# KiCad board pcb.kicad_pcb (continued)
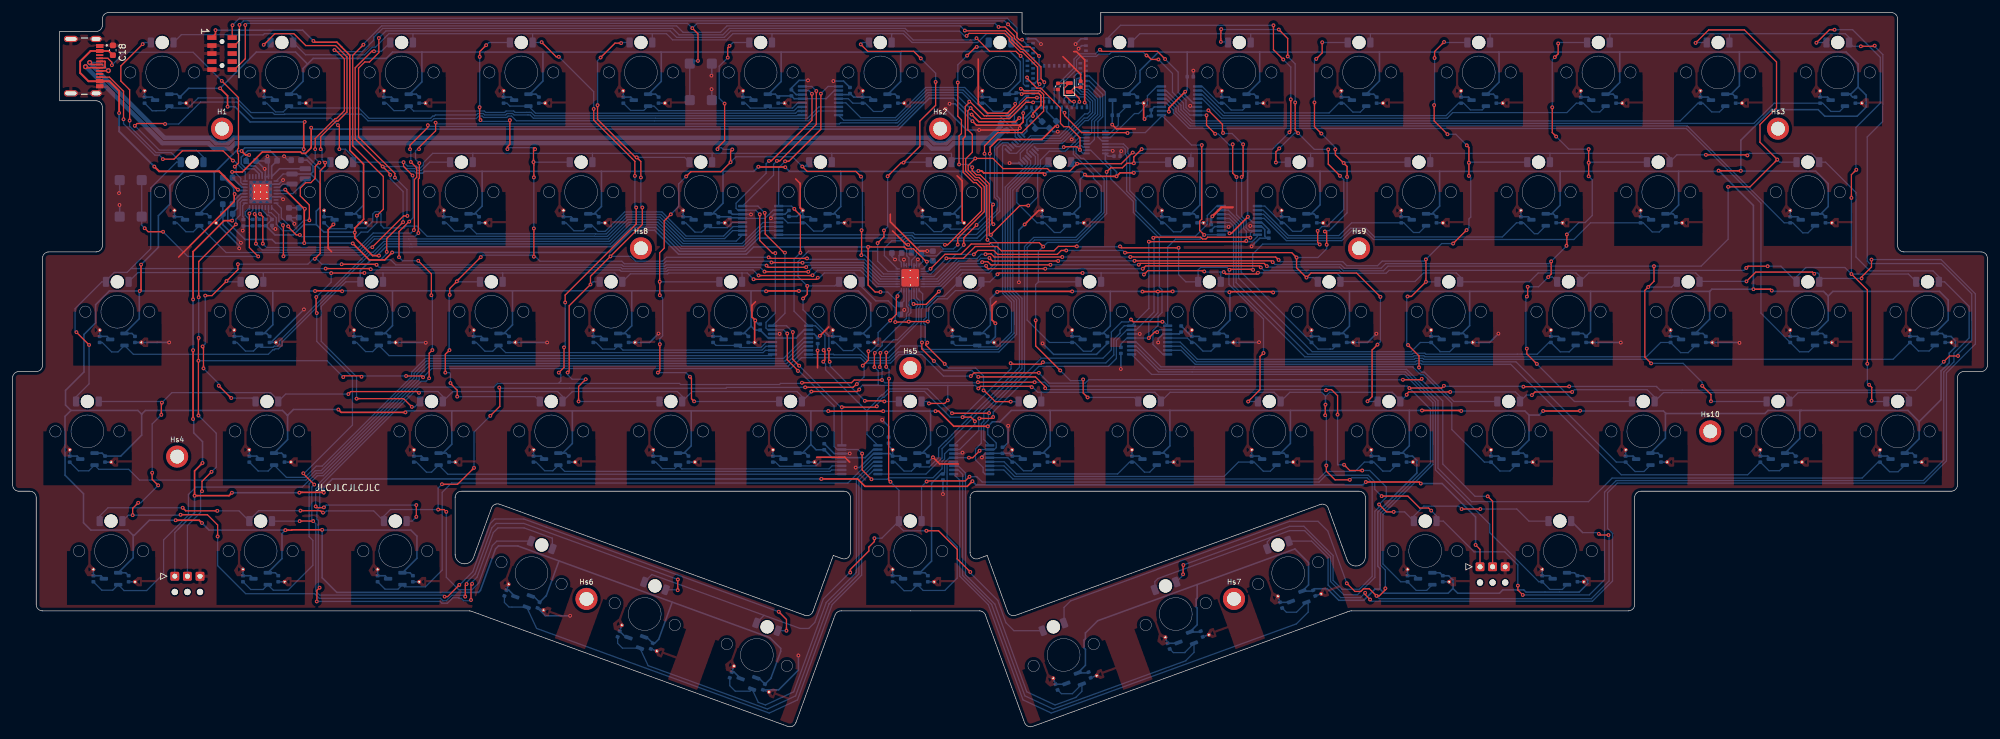
[diagram p0: board, top side]
## Placement (name value [footprint] x y rotation side) (continued)
S11  Switch  [Gateron_Lowpro_Switch]  213.75 103.85 0 top
S12  Switch  [Gateron_Lowpro_Switch]  232.75 103.85 0 top
S13  Switch  [Gateron_Lowpro_Switch]  251.75 103.85 0 top
S14  Switch  [Gateron_Lowpro_Switch]  270.75 103.85 0 top
S15  Switch  [Gateron_Lowpro_Switch]  289.75 103.85 0 top
S16  Switch  [Gateron_Lowpro_Switch]  28.5 84.85 0 top
S17  Switch  [Gateron_Lowpro_Switch]  52.25 84.85 0 top
S18  Switch  [Gateron_Lowpro_Switch]  71.25 84.85 0 top
S19  Switch  [Gateron_Lowpro_Switch]  90.25 84.85 0 top
S20  Switch  [Gateron_Lowpro_Switch]  109.25 84.85 0 top
S21  Switch  [Gateron_Lowpro_Switch]  128.25 84.85 0 top
S22  Switch  [Gateron_Lowpro_Switch]  147.25 84.85 0 top
S23  Switch  [Gateron_Lowpro_Switch]  166.25 84.85 0 top
S24  Switch  [Gateron_Lowpro_Switch]  185.25 84.85 0 top
S25  Switch  [Gateron_Lowpro_Switch]  204.25 84.85 0 top
S26  Switch  [Gateron_Lowpro_Switch]  223.25 84.85 0 top
S27  Switch  [Gateron_Lowpro_Switch]  242.25 84.85 0 top
S28  Switch  [Gateron_Lowpro_Switch]  261.25 84.85 0 top
S29  Switch  [Gateron_Lowpro_Switch]  285 84.85 0 top
S30  Switch  [Gateron_Lowpro_Switch]  16.62 65.85 0 top
S31  Switch  [Gateron_Lowpro_Switch]  38 65.85 0 top
S32  Switch  [Gateron_Lowpro_Switch]  57 65.85 0 top
S33  Switch  [Gateron_Lowpro_Switch]  76 65.85 0 top
S34  Switch  [Gateron_Lowpro_Switch]  95 65.85 0 top
S35  Switch  [Gateron_Lowpro_Switch]  114 65.85 0 top
S36  Switch  [Gateron_Lowpro_Switch]  133 65.85 0 top
S37  Switch  [Gateron_Lowpro_Switch]  152 65.85 0 top
S38  Switch  [Gateron_Lowpro_Switch]  171 65.85 0 top
S39  Switch  [Gateron_Lowpro_Switch]  190 65.85 0 top
S40  Switch  [Gateron_Lowpro_Switch]  209 65.85 0 top
S41  Switch  [Gateron_Lowpro_Switch]  228 65.85 0 top
S42  Switch  [Gateron_Lowpro_Switch]  247 65.85 0 top
S43  Switch  [Gateron_Lowpro_Switch]  266 65.85 0 top
S44  Switch  [Gateron_Lowpro_Switch]  285 65.85 0 top
S45  Switch  [Gateron_Lowpro_Switch]  11.88 46.85 0 top
S46  Switch  [Gateron_Lowpro_Switch]  40.38 46.85 0 top
S47  Switch  [Gateron_Lowpro_Switch]  66.5 46.85 0 top
S48  Switch  [Gateron_Lowpro_Switch]  85.5 46.85 0 top
S49  Switch  [Gateron_Lowpro_Switch]  104.5 46.85 0 top
S50  Switch  [Gateron_Lowpro_Switch]  123.5 46.85 0 top
S51  Switch  [Gateron_Lowpro_Switch]  142.5 46.85 0 top
S52  Switch  [Gateron_Lowpro_Switch]  161.5 46.85 0 top
S53  Switch  [Gateron_Lowpro_Switch]  180.5 46.85 0 top
S54  Switch  [Gateron_Lowpro_Switch]  199.5 46.85 0 top
S55  Switch  [Gateron_Lowpro_Switch]  218.5 46.85 0 top
S56  Switch  [Gateron_Lowpro_Switch]  237.5 46.85 0 top
S57  Switch  [Gateron_Lowpro_Switch]  258.88 46.85 0 top
S58  Switch  [Gateron_Lowpro_Switch]  280.25 46.85 0 top
S59  Switch  [Gateron_Lowpro_Switch]  15.62 27.85 0 top
S60  Switch  [Gateron_Lowpro_Switch]  39.38 27.85 0 top
S61  Switch  [Gateron_Lowpro_Switch]  60.75 27.85 0 top
S62  Switch  [Gateron_Lowpro_Switch]  82.38 24.35 340 top
S63  Switch  [Gateron_Lowpro_Switch]  100.35 17.85 340 top
S64  Switch  [Gateron_Lowpro_Switch]  118.15 11.35 340 top
S65  Switch  [Gateron_Lowpro_Switch]  142.5 27.85 0 top
S66  Switch  [Gateron_Lowpro_Switch]  166.85 11.35 20 top
S67  Switch  [Gateron_Lowpro_Switch]  184.65 17.85 20 top
S68  Switch  [Gateron_Lowpro_Switch]  202.5 24.35 20 top
S69  Switch  [Gateron_Lowpro_Switch]  224.25 27.85 0 top
S70  Switch  [Gateron_Lowpro_Switch]  245.62 27.85 0 top
S71  Switch  [Gateron_Lowpro_Switch]  299.25 46.85 0 top
S72  Switch  [Gateron_Lowpro_Switch]  304 65.85 0 top
Stb1  TMR_switch_stab_2.0u  [Stabilizer_Lowpro_2U]  118.15 11.35 70 top
Stb2  TMR_switch_stab_2.0u  [Stabilizer_Lowpro_2U]  166.85 11.35 290 top
SW1  SW_DIP_x01  [Aliexpress_SW_TACT_4x4x1.5mm]  109.25 102.35 90 bottom
SW2  SW_DIP_x01  [Aliexpress_SW_TACT_4x4x1.5mm]  18.75 83.85 270 bottom
TMR1  TMR2617  [SOT-23-3]  23.75 99.45 180 bottom
TMR2  TMR2617  [SOT-23-3]  42.75 99.45 180 bottom
TMR3  TMR2617  [SOT-23-3]  61.75 99.45 180 bottom
TMR4  TMR2617  [SOT-23-3]  80.75 99.45 180 bottom
TMR5  TMR2617  [SOT-23-3]  99.75 99.45 180 bottom
TMR6  TMR2617  [SOT-23-3]  118.75 99.45 180 bottom
TMR7  TMR2617  [SOT-23-3]  137.75 99.45 180 bottom
TMR8  TMR2617  [SOT-23-3]  156.75 99.45 180 bottom
TMR9  TMR2617  [SOT-23-3]  175.75 99.45 180 bottom
TMR10  TMR2617  [SOT-23-3]  194.75 99.45 180 bottom
TMR11  TMR2617  [SOT-23-3]  213.75 99.45 180 bottom
TMR12  TMR2617  [SOT-23-3]  232.75 99.45 180 bottom
TMR13  TMR2617  [SOT-23-3]  251.75 99.45 180 bottom
TMR14  TMR2617  [SOT-23-3]  270.75 99.45 180 bottom
TMR15  TMR2617  [SOT-23-3]  289.75 99.45 180 bottom
TMR16  TMR2617  [SOT-23-3]  28.5 80.45 180 bottom
TMR17  TMR2617  [SOT-23-3]  52.25 80.45 180 bottom
TMR18  TMR2617  [SOT-23-3]  71.25 80.45 180 bottom
TMR19  TMR2617  [SOT-23-3]  90.25 80.45 180 bottom
TMR20  TMR2617  [SOT-23-3]  109.25 80.45 180 bottom
TMR21  TMR2617  [SOT-23-3]  128.25 80.45 180 bottom
TMR22  TMR2617  [SOT-23-3]  147.25 80.45 180 bottom
TMR23  TMR2617  [SOT-23-3]  166.25 80.45 180 bottom
TMR24  TMR2617  [SOT-23-3]  185.25 80.45 180 bottom
TMR25  TMR2617  [SOT-23-3]  204.25 80.45 180 bottom
TMR26  TMR2617  [SOT-23-3]  223.25 80.45 180 bottom
TMR27  TMR2617  [SOT-23-3]  242.25 80.45 180 bottom
TMR28  TMR2617  [SOT-23-3]  261.25 80.45 180 bottom
TMR29  TMR2617  [SOT-23-3]  285 80.45 180 bottom
TMR30  TMR2617  [SOT-23-3]  16.62 61.45 180 bottom
TMR31  TMR2617  [SOT-23-3]  38 61.45 180 bottom
TMR32  TMR2617  [SOT-23-3]  57 61.45 180 bottom
TMR33  TMR2617  [SOT-23-3]  76 61.45 180 bottom
TMR34  TMR2617  [SOT-23-3]  95 61.45 180 bottom
TMR35  TMR2617  [SOT-23-3]  114 61.45 180 bottom
TMR36  TMR2617  [SOT-23-3]  133 61.45 180 bottom
TMR37  TMR2617  [SOT-23-3]  152 61.45 180 bottom
TMR38  TMR2617  [SOT-23-3]  171 61.45 180 bottom
TMR39  TMR2617  [SOT-23-3]  190 61.45 180 bottom
TMR40  TMR2617  [SOT-23-3]  209 61.45 180 bottom
TMR41  TMR2617  [SOT-23-3]  228 61.45 180 bottom
TMR42  TMR2617  [SOT-23-3]  247 61.45 180 bottom
TMR43  TMR2617  [SOT-23-3]  266 61.45 180 bottom
TMR44  TMR2617  [SOT-23-3]  285 61.45 180 bottom
TMR45  TMR2617  [SOT-23-3]  11.88 42.45 180 bottom
TMR46  TMR2617  [SOT-23-3]  40.38 42.45 180 bottom
TMR47  TMR2617  [SOT-23-3]  66.5 42.45 180 bottom
TMR48  TMR2617  [SOT-23-3]  85.5 42.45 180 bottom
TMR49  TMR2617  [SOT-23-3]  104.5 42.45 180 bottom
TMR50  TMR2617  [SOT-23-3]  123.5 42.45 180 bottom
TMR51  TMR2617  [SOT-23-3]  142.5 42.45 180 bottom
TMR52  TMR2617  [SOT-23-3]  161.5 42.45 180 bottom
TMR53  TMR2617  [SOT-23-3]  180.5 42.45 180 bottom
TMR54  TMR2617  [SOT-23-3]  199.5 42.45 180 bottom
TMR55  TMR2617  [SOT-23-3]  218.5 42.45 180 bottom
TMR56  TMR2617  [SOT-23-3]  237.5 42.45 180 bottom
TMR57  TMR2617  [SOT-23-3]  258.88 42.45 180 bottom
TMR58  TMR2617  [SOT-23-3]  280.25 42.45 180 bottom
TMR59  TMR2617  [SOT-23-3]  15.62 23.45 180 bottom
TMR60  TMR2617  [SOT-23-3]  39.38 23.45 180 bottom
TMR61  TMR2617  [SOT-23-3]  60.75 23.45 180 bottom
TMR62  TMR2617  [SOT-23-3]  80.87 20.21 160 bottom
TMR63  TMR2617  [SOT-23-3]  98.85 13.71 160 bottom
TMR64  TMR2617  [SOT-23-3]  116.65 7.21 160 bottom
TMR65  TMR2617  [SOT-23-3]  142.5 23.45 180 bottom
TMR66  TMR2617  [SOT-23-3]  168.35 7.21 200 bottom
TMR67  TMR2617  [SOT-23-3]  186.15 13.71 200 bottom
TMR68  TMR2617  [SOT-23-3]  204 20.21 200 bottom
TMR69  TMR2617  [SOT-23-3]  224.25 23.45 180 bottom
TMR70  TMR2617  [SOT-23-3]  245.62 23.45 180 bottom
TMR71  TMR2617  [SOT-23-3]  299.25 42.45 180 bottom
TMR72  TMR2617  [SOT-23-3]  304 61.45 180 bottom
Y1  32.768 kHz  [Crystal_SMD_2012-2Pin_2.0x1.2mm]  167.75 101.45 90 top

## Library data of the parts
BAT1 BAT2 = -: Description: PS5 battery pack (red->power, black->ground, white->ntc); ki_fp_filters: TSSOP*4.4x9.7mm*P0.65mm*
C1-C4 C10-C12 C25 C26 = -: Description: Capacitor, X5R, 25 V, ±20%; ki_fp_filters: C_*
C5-C9 C14-C17 C20-C24 C28-C31 = -: Description: Capacitor, X5R, ±10%, at least 2xVdd (>=5V); ki_fp_filters: C_*
C13 C33 = -: Description: Capacitor, X5R, ±10%; ki_fp_filters: C_*
C18 C19 C34-C36 = -: Description: Capacitor, X5R, 10 V, ±10%; ki_fp_filters: C_*
C27 C32 = -: Description: Capacitor, X7R, 16 V, ±10%; ki_fp_filters: C_*
Cvcc1-Cvcc72 Cvout1-Cvout72 = -: Description: Unpolarized capacitor, small symbol; ki_fp_filters: C_*
D1-D72 = -: Datasheet: https://www.we-online.com/components/products/datasheet/156120VS75300.pdf; Description: Light emitting diode, small symbol, filled shape; Sim.Pins: 1=K 2=A; ki_fp_filters: LED* LED_SMD:* LED_THT:*
H1 Hs2-Hs10 = -: Description: Mounting Hole without connection; ki_fp_filters: MountingHole*
JTAG1 = -: Datasheet: http://infocenter.arm.com/help/topic/com.arm.doc.ddi0314h/DDI0314H_coresight_components_trm.pdf; Description: Cortex Debug Connector, standard ARM Cortex-M SWD and JTAG interface; ki_fp_filters: PinHeader?2x05?P1.27mm*
Jusb1 = -: Description: Connector; USB 3.1 Type C; Receptacle; 24-pin; USB 2.0 Only;; MANUFACTURER: XKB Connectivity; ALTIUM_VALUE: U262-161N-4BVC11; MPN: U262-161N-4BVC11; COMPONENT SUBTYPE: USB-C; COMPONENT TYPE: Connector; MOUNTING TYPE: SMD; PACKAGE (CASE): SMD; LCSC: C319148; ki_fp_filters: CON_XKB_U262-161N-4BVC11
L1 = -: Description: Inductor, DCR < 400 mΩ, ±20%; Ex: Murata DFE201210U-2R2M Samsung CIGT201610EH2R2MNE  Samsung CIGT252008LM2R2MNE  Taiyo Yuden MDKK1616T2R2MM; ki_fp_filters: Choke_* *Coil* Inductor_* L_*
L2 = -: Description: Inductor, DCR < 400 mΩ, ±20%; ki_fp_filters: Choke_* *Coil* Inductor_* L_*
LEDDR1 = -: Datasheet: http://www.ti.com/lit/ds/symlink/lp5864.pdf; Description: 72-Channel 12-Bit PWM Ultra-low Quiescent Current I2C RGB LED Driver; ki_fp_filters: VQFN?46?1EP?5x6mm?P0.4mm?EP2.8x3.8mm*
MDBT1 = -: Description: Raytac Corporation / MDBT50 / Bluetooth Low Energy Module based on Noridc nRF52840 / Source: / • Raytac datasheet
MUXA1 MUXA2 = -: Datasheet: https://www.ti.com/lit/ds/symlink/tmux1574.pdf; Description: Low Capacitance, 4-Channel, 2 to 1 Switch, Powered-off Protection with 1.8V logic, TSOT-23-16; ki_fp_filters: *TSOT*23?16*
MUXB1-MUXB8 = -: Datasheet: https://www.ti.com/lit/ds/symlink/tmux1108.pdf; Description: 5V / ±2.5V, Low-Leakage-Current, 8:1 Precision Multiplexer, 2.5 Ohm Ron, 90Mhz, TSSOP-16; ki_fp_filters: TSSOP*4.4x5mm*P0.65mm*
PMIC1 = -: Datasheet: https://docs.nordicsemi.com/bundle/ps_npm1300; Description: PMIC, LED Driver, Battery Charger, QFN-32; ki_fp_filters: QFN*32*1EP*5x5mm*P0.5mm*EP3.6x3.6mm*
R1-R4 = -: Description: Resistor, small symbol; ki_fp_filters: R_*
R5 R6 = -: Description: Resistor, 0.05 W, ±1%, to select 1.8v at buck converter #1 on reset; ki_fp_filters: R_*
S1-S72 = -: Description: Gateron Low profile magentic switch; Descr2: Center hole dia: Gateron 5.2mm, Kailh 5mm
Stb1 Stb2 = -: Descr2: Center hole dia: Gateron 5.2mm, Kailh 5mm
SW1 SW2 = -: Description: 1x DIP Switch, Single Pole Single Throw (SPST) switch, small symbol; ki_fp_filters: SW?DIP?x1*
TMR1-TMR72 = -: Description: TMR sensor by MDT, z-axis sensitivity, SOT23-3; ki_fp_filters: SOT?23*
Y1 = -: Description: Two pin crystal, small symbol; ki_fp_filters: Crystal*

## Footprints (pads in the part's own frame, mm; a bottom-side part is the same pattern mirrored in y, then rotated)
Aliexpress_SW_TACT_4x4x1.5mm
  rrect 1.6x1.6 smd: 1(-2.9,1.75) 1(2.9,1.75) 2(-2.9,-1.75) 2(2.9,-1.75)
C_0402_1005Metric
  rrect 0.56x0.62 smd: 1(-0.48,0) 2(0.48,0)
C_0402_1005Metric_Cvcc
  rrect 0.56x0.62 smd: 1(-0.48,0) 2(0.48,0)
  round 0.6 hole 0.3: 2(0.48,-1)
  rect 0.25x0.45 smd: 2(0.48,-0.53)
C_0402_1005Metric_Cvcc#2
  rrect 0.56x0.62 smd: 1(-0.48,0) 2(0.48,0)
C_0402_1005Metric_Cvout
  rrect 0.56x0.62 smd: 1(-0.48,0) 2(0.48,0)
  rect 0.45x0.25 smd: 2(0.98,0)
  round 0.6 hole 0.3: 2(1.48,0)
C_0402_1005Metric_Cvout#2
  rrect 0.56x0.62 smd: 1(-0.48,0) 2(0.48,0)
C_0603_1608Metric
  rrect 0.9x0.95 smd: 1(-0.775,0) 2(0.775,0)
Crystal_SMD_2012-2Pin_2.0x1.2mm
  rrect 0.6x1.1 smd: 1(-0.7,0) 2(0.7,0)
GCT_USB4215-03-A_REVA
  rect 0.6x1.15 smd: A1(-3.2,4.575) A4(-2.4,4.575) A9(2.4,4.575) A12(3.2,4.575) B1(3.2,4.575) B4(2.4,4.575) B9(-2.4,4.575) B12(-3.2,4.575)
  rect 0.3x1.15 smd: A5(-1.25,4.575) A6(-0.25,4.575) A7(0.25,4.575) A8(1.25,4.575) B5(1.75,4.575) B6(0.75,4.575) B7(-0.75,4.575) B8(-1.75,4.575)
  oval 1x1.8 hole 0.6x1.4: S1(-4.32,4) S1(4.32,4)
  oval 1x2.2 hole 0.6x1.8: S1(-4.32,0) S1(4.32,0)
L_Samsung_CIGT201610EH2R2MNE
  rrect 0.8x1.8 smd: 1(-0.8,0) 2(0.8,0)
LED_1206_3216Metric_ReverseMount_Hole2.1mm
  round 2.1 hole 2.1 unplated: (0,0)
  rrect 1x1.6 smd: 1(-1.8,0) 2(1.8,0)
LP5864-VQFN-32-1EP_4x4mm_P0.4mm_EP2.8x2.8mm_ThermalVias
  rrect 1.17x1.17 smd: (-0.7,-0.7) (-0.7,0.7) (0.7,-0.7) (0.7,0.7)
  rrect 0.7x0.2 smd: 1(-1.988,1.4) 2(-1.988,1) 3(-1.988,0.6) 4(-1.988,0.2) 5(-1.988,-0.2) 6(-1.988,-0.6) 7(-1.988,-1) 8(-1.988,-1.4) 17(1.988,-1.4) 18(1.988,-1) 19(1.988,-0.6) 20(1.988,-0.2) 21(1.988,0.2) 22(1.988,0.6) 23(1.988,1) 24(1.988,1.4)
  rrect 0.2x0.7 smd: 9(-1.4,-1.988) 10(-1,-1.988) 11(-0.6,-1.988) 12(-0.2,-1.988) 13(0.2,-1.988) 14(0.6,-1.988) 15(1,-1.988) 16(1.4,-1.988) 25(1.4,1.988) 26(1,1.988) 27(0.6,1.988) 28(0.2,1.988) 29(-0.2,1.988) 30(-0.6,1.988) 31(-1,1.988) 32(-1.4,1.988)
  round 0.5 hole 0.2: 33(-1.15,0) 33(0,-1.15) 33(0,0) 33(0,1.15) 33(1.15,0)
  rrect 2.8x2.8 smd far side: 33(0,0)
  rrect 2.8x2.8 smd: 33(0,0)
MountingHole_2.2mm_M2_ISO7380_Pad_TopBottom
  round 2.6 hole 2.2: 1(0,0)
  round 3.5 smd: 1(0,0)
  round 3.5 smd far side: 1(0,0)
PCB_Wire_Solder_3p_Connector
  round 1 hole 1 unplated: (-2,-2.5) (0,-2.5) (2,-2.5)
  rrect 1.4x1.4 hole 0.8: 1(-2,0) 2(0,0) 3(2,0)
QFN-32-1EP_5x5mm_P0.5mm_EP3.6x3.6mm_ThermalVias
  rrect 0.97x0.97 smd: (-1.2,-1.2) (-1.2,0) (-1.2,1.2) (0,-1.2) (0,0) (0,1.2) (1.2,-1.2) (1.2,0) (1.2,1.2)
  rrect 0.8x0.25 smd: 1(-2.45,1.75) 2(-2.45,1.25) 3(-2.45,0.75) 4(-2.45,0.25) 5(-2.45,-0.25) 6(-2.45,-0.75) 7(-2.45,-1.25) 8(-2.45,-1.75) 17(2.45,-1.75) 18(2.45,-1.25) 19(2.45,-0.75) 20(2.45,-0.25) 21(2.45,0.25) 22(2.45,0.75) 23(2.45,1.25) 24(2.45,1.75)
  rrect 0.25x0.8 smd: 9(-1.75,-2.45) 10(-1.25,-2.45) 11(-0.75,-2.45) 12(-0.25,-2.45) 13(0.25,-2.45) 14(0.75,-2.45) 15(1.25,-2.45) 16(1.75,-2.45) 25(1.75,2.45) 26(1.25,2.45) 27(0.75,2.45) 28(0.25,2.45) 29(-0.25,2.45) 30(-0.75,2.45) 31(-1.25,2.45) 32(-1.75,2.45)
  round 0.5 hole 0.2: 33(-1,-1) 33(-1,0) 33(-1,1) 33(0,-1) 33(0,0) 33(0,1) 33(1,-1) 33(1,0) 33(1,1)
  rect 2.5x2.5 smd far side: 33(0,0)
  rect 3.6x3.6 smd: 33(0,0)
R_0402_1005Metric
  rrect 0.54x0.64 smd: 1(-0.51,0) 2(0.51,0)
R_0603_1608Metric
  rrect 0.8x0.95 smd: 1(-0.825,0) 2(0.825,0)
Raytac_MDBT50Q
  rect 0.6x0.4 smd: 1(-4.65,3.75) 2(-4.65,2.65) 3(-4.65,1.85) 4(-4.65,0.25) 5(-3.75,-0.15) 6(-4.65,-0.55) 7(-3.75,-0.95) 8(-4.65,-1.35) 9(-3.75,-1.75) 10(-4.65,-2.15) 11(-3.75,-2.55) 12(-4.65,-2.95) 13(-3.75,-3.35) 14(-4.65,-3.75) 34(4.65,-6.15) 35(4.65,-5.35) 36(3.75,-4.95) 37(4.65,-4.55) 38(3.75,-4.15) 39(4.65,-3.75) 40(3.75,-3.35) 41(4.65,-2.95) 42(3.75,-2.55) 43(3.75,-1.75) 44(4.65,-1.35) 45(3.75,-0.95) 46(4.65,-0.55) 47(3.75,-0.15) 48(4.65,0.25) 49(3.75,0.65) 50(3.75,1.45) 51(4.65,1.85) 52(3.75,2.25) 53(4.65,2.65) 54(3.75,3.05) 55(4.65,3.75)
  rect 0.4x0.6 smd: 15(-4.8,-7.15) 16(-4,-7.15) 17(-3.2,-7.15) 18(-2.4,-7.15) 19(-2,-6.25) 20(-1.6,-7.15) 21(-1.2,-6.25) 22(-0.8,-7.15) 23(-0.4,-6.25) 24(0,-7.15) 25(0.4,-6.25) 26(0.8,-7.15) 27(1.2,-6.25) 28(1.6,-7.15) 29(2,-6.25) 30(2.4,-7.15) 31(3.2,-7.15) 32(4,-7.15) 33(4.8,-7.15) 56(-2,-0.55) 57(-1.2,-0.55) 58(-0.4,-0.55) 59(0.4,-0.55) 60(1.2,-0.55) 61(2,-0.55)
SAMTEC-CLP-105-02-X-D-A
  round 0.74 hole 0.74 unplated: (-1.905,0) (1.905,0)
  rect 0.74x1.47 smd: 1(-2.54,-1.613) 2(-2.54,1.613) 3(-1.27,-1.613) 4(-1.27,1.613) 5(0,-1.613) 6(0,1.613) 7(1.27,-1.613) 8(1.27,1.613) 9(2.54,-1.613) 10(2.54,1.613)
SOT-23-3
  rrect 1.325x0.6 smd: 1(-1.137,0.95) 2(-1.137,-0.95) 3(1.137,0)
Texas_DYY0016A_TSOT-23-16_2x4.2mm_P0.5mm
  rrect 1.05x0.3 smd: 1(-1.5,1.75) 2(-1.5,1.25) 3(-1.5,0.75) 4(-1.5,0.25) 5(-1.5,-0.25) 6(-1.5,-0.75) 7(-1.5,-1.25) 8(-1.5,-1.75) 9(1.5,-1.75) 10(1.5,-1.25) 11(1.5,-0.75) 12(1.5,-0.25) 13(1.5,0.25) 14(1.5,0.75) 15(1.5,1.25) 16(1.5,1.75)
TSSOP-16_4.4x5mm_P0.65mm
  rrect 1.475x0.4 smd: 1(-2.862,2.275) 2(-2.862,1.625) 3(-2.862,0.975) 4(-2.862,0.325) 5(-2.862,-0.325) 6(-2.862,-0.975) 7(-2.862,-1.625) 8(-2.862,-2.275) 9(2.862,-2.275) 10(2.862,-1.625) 11(2.862,-0.975) 12(2.862,-0.325) 13(2.862,0.325) 14(2.862,0.975) 15(2.862,1.625) 16(2.862,2.275)

## Nets
/VBAT: BAT1.1 BAT2.1 C32.1 PMIC1.19
/VBUSOUT: C1.1 C19.1 MDBT1.32 PMIC1.22
/VDD_nRF: C3.1 C13.2 C25.1 JTAG1.1 L1.1 MDBT1.28 MDBT1.30 PMIC1.1 PMIC1.12 R3.1 R4.1
GND: BAT1.3 BAT2.3 C1.2 C2.2 C3.2 C4.2 C5.1 C6.1 C7.1 C8.1 C9.1 C10.2 C11.2 C12.2 C13.1 C14.1 C14.2 C15.1 C15.2 C16.1 C16.2 C17.1 C17.2 C18.2 C19.2 C20.1 C21.1 C22.1 C23.1 C24.1 C25.2 C26.2 C27.2 C28.1 C28.2 C29.1 C29.2 C30.1 C30.2 C31.1 C31.2 C32.2 C33.2 C34.1 C35.2 C36.2 Cvcc1.2 Cvcc2.2 Cvcc3.2 Cvcc4.2 Cvcc5.2 Cvcc6.2 Cvcc7.2 Cvcc8.2 Cvcc9.2 Cvcc10.2 Cvcc11.2 Cvcc12.2 Cvcc13.2 Cvcc14.2 Cvcc15.2 Cvcc16.2 Cvcc17.2 Cvcc18.2 Cvcc19.2 Cvcc20.2 Cvcc21.2 Cvcc22.2 Cvcc23.2 Cvcc24.2 Cvcc25.2 Cvcc26.2 Cvcc27.2 Cvcc28.2 Cvcc29.2 Cvcc30.2 Cvcc31.2 Cvcc32.2 Cvcc33.2 Cvcc34.2 Cvcc35.2 Cvcc36.2 Cvcc37.2 Cvcc38.2 Cvcc39.2 Cvcc40.2 Cvcc41.2 Cvcc42.2 Cvcc43.2 Cvcc44.2 Cvcc45.2 Cvcc46.2 Cvcc47.2 Cvcc48.2 Cvcc49.2 Cvcc50.2 Cvcc51.2 Cvcc52.2 Cvcc53.2 Cvcc54.2 Cvcc55.2 Cvcc56.2 Cvcc57.2 Cvcc58.2 Cvcc59.2 Cvcc60.2 Cvcc61.2 Cvcc62.2 Cvcc63.2 Cvcc64.2 Cvcc65.2 Cvcc66.2 Cvcc67.2 Cvcc68.2 Cvcc69.2 Cvcc70.2 Cvcc71.2 Cvcc72.2 Cvout1.2 Cvout2.2 Cvout3.2 Cvout4.2 Cvout5.2 Cvout6.2 Cvout7.2 Cvout8.2 Cvout9.2 Cvout10.2 Cvout11.2 Cvout12.2 Cvout13.2 Cvout14.2 Cvout15.2 Cvout16.2 Cvout17.2 Cvout18.2 Cvout19.2 Cvout20.2 Cvout21.2 Cvout22.2 Cvout23.2 Cvout24.2 Cvout25.2 Cvout26.2 Cvout27.2 Cvout28.2 Cvout29.2 Cvout30.2 Cvout31.2 Cvout32.2 Cvout33.2 Cvout34.2 Cvout35.2 Cvout36.2 Cvout37.2 Cvout38.2 Cvout39.2 Cvout40.2 Cvout41.2 Cvout42.2 Cvout43.2 Cvout44.2 Cvout45.2 Cvout46.2 Cvout47.2 Cvout48.2 Cvout49.2 Cvout50.2 Cvout51.2 Cvout52.2 Cvout53.2 Cvout54.2 Cvout55.2 Cvout56.2 Cvout57.2 Cvout58.2 Cvout59.2 Cvout60.2 Cvout61.2 Cvout62.2 Cvout63.2 Cvout64.2 Cvout65.2 Cvout66.2 Cvout67.2 Cvout68.2 Cvout69.2 Cvout70.2 Cvout71.2 Cvout72.2 JTAG1.3 JTAG1.5 JTAG1.9 Jusb1.A1 Jusb1.A12 Jusb1.B1 Jusb1.B12 Jusb1.S1 LEDDR1.26 LEDDR1.27 LEDDR1.30 LEDDR1.31 LEDDR1.33 MDBT1.1 MDBT1.2 MDBT1.15 MDBT1.33 MDBT1.55 MUXA1.8 MUXA1.15 MUXA2.8 MUXA2.15 MUXB1.3 MUXB1.14 MUXB2.3 MUXB2.14 MUXB3.3 MUXB3.14 MUXB4.3 MUXB4.14 MUXB5.3 MUXB5.14 MUXB6.3 MUXB6.14 MUXB7.3 MUXB7.14 MUXB8.3 MUXB8.14 PMIC1.2 PMIC1.6 PMIC1.30 PMIC1.31 PMIC1.33 R5.1 R6.1 SW1.1 SW2.1 TMR1.3 TMR2.3 TMR3.3 TMR4.3 TMR5.3 TMR6.3 TMR7.3 TMR8.3 TMR9.3 TMR10.3 TMR11.3 TMR12.3 TMR13.3 TMR14.3 TMR15.3 TMR16.3 TMR17.3 TMR18.3 TMR19.3 TMR20.3 TMR21.3 TMR22.3 TMR23.3 TMR24.3 TMR25.3 TMR26.3 TMR27.3 TMR28.3 TMR29.3 TMR30.3 TMR31.3 TMR32.3 TMR33.3 TMR34.3 TMR35.3 TMR36.3 TMR37.3 TMR38.3 TMR39.3 TMR40.3 TMR41.3 TMR42.3 TMR43.3 TMR44.3 TMR45.3 TMR46.3 TMR47.3 TMR48.3 TMR49.3 TMR50.3 TMR51.3 TMR52.3 TMR53.3 TMR54.3 TMR55.3 TMR56.3 TMR57.3 TMR58.3 TMR59.3 TMR60.3 TMR61.3 TMR62.3 TMR63.3 TMR64.3 TMR65.3 TMR66.3 TMR67.3 TMR68.3 TMR69.3 TMR70.3 TMR71.3 TMR72.3
VCCS: C5.2 C6.2 C7.2 C8.2 C9.2 C20.2 C21.2 C22.2 C23.2 C24.2 C27.1 Cvcc1.1 Cvcc2.1 Cvcc3.1 Cvcc4.1 Cvcc5.1 Cvcc6.1 Cvcc7.1 Cvcc8.1 Cvcc9.1 Cvcc10.1 Cvcc11.1 Cvcc12.1 Cvcc13.1 Cvcc14.1 Cvcc15.1 Cvcc16.1 Cvcc17.1 Cvcc18.1 Cvcc19.1 Cvcc20.1 Cvcc21.1 Cvcc22.1 Cvcc23.1 Cvcc24.1 Cvcc25.1 Cvcc26.1 Cvcc27.1 Cvcc28.1 Cvcc29.1 Cvcc30.1 Cvcc31.1 Cvcc32.1 Cvcc33.1 Cvcc34.1 Cvcc35.1 Cvcc36.1 Cvcc37.1 Cvcc38.1 Cvcc39.1 Cvcc40.1 Cvcc41.1 Cvcc42.1 Cvcc43.1 Cvcc44.1 Cvcc45.1 Cvcc46.1 Cvcc47.1 Cvcc48.1 Cvcc49.1 Cvcc50.1 Cvcc51.1 Cvcc52.1 Cvcc53.1 Cvcc54.1 Cvcc55.1 Cvcc56.1 Cvcc57.1 Cvcc58.1 Cvcc59.1 Cvcc60.1 Cvcc61.1 Cvcc62.1 Cvcc63.1 Cvcc64.1 Cvcc65.1 Cvcc66.1 Cvcc67.1 Cvcc68.1 Cvcc69.1 Cvcc70.1 Cvcc71.1 Cvcc72.1 MUXA1.16 MUXA2.16 MUXB1.2 MUXB1.13 MUXB2.2 MUXB2.13 MUXB3.2 MUXB3.13 MUXB4.2 MUXB4.13 MUXB5.2 MUXB5.13 MUXB6.2 MUXB6.13 MUXB7.2 MUXB7.13 MUXB8.2 MUXB8.13 PMIC1.29 TMR1.1 TMR2.1 TMR3.1 TMR4.1 TMR5.1 TMR6.1 TMR7.1 TMR8.1 TMR9.1 TMR10.1 TMR11.1 TMR12.1 TMR13.1 TMR14.1 TMR15.1 TMR16.1 TMR17.1 TMR18.1 TMR19.1 TMR20.1 TMR21.1 TMR22.1 TMR23.1 TMR24.1 TMR25.1 TMR26.1 TMR27.1 TMR28.1 TMR29.1 TMR30.1 TMR31.1 TMR32.1 TMR33.1 TMR34.1 TMR35.1 TMR36.1 TMR37.1 TMR38.1 TMR39.1 TMR40.1 TMR41.1 TMR42.1 TMR43.1 TMR44.1 TMR45.1 TMR46.1 TMR47.1 TMR48.1 TMR49.1 TMR50.1 TMR51.1 TMR52.1 TMR53.1 TMR54.1 TMR55.1 TMR56.1 TMR57.1 TMR58.1 TMR59.1 TMR60.1 TMR61.1 TMR62.1 TMR63.1 TMR64.1 TMR65.1 TMR66.1 TMR67.1 TMR68.1 TMR69.1 TMR70.1 TMR71.1 TMR72.1
/AIN0: MDBT1.11 MUXA1.4
/AIN1: MDBT1.9 MUXA1.7
/AIN2: MDBT1.20 MUXA1.12
/AIN3: MDBT1.21 MUXA1.9
/AIN4: MDBT1.13 MUXA2.7
/AIN5: MDBT1.10 MUXA2.9
/AIN6: MDBT1.14 MUXA2.4
/AIN7: MDBT1.12 MUXA2.12
/ANA_01: Cvout1.1 MUXB1.7 TMR1.2
/ANA_02: Cvout2.1 MUXB1.6 TMR2.2
/ANA_03: Cvout3.1 MUXB1.9 TMR3.2
/ANA_04: Cvout4.1 MUXB1.10 TMR4.2
/ANA_05: Cvout5.1 MUXB1.11 TMR5.2
/ANA_06: Cvout6.1 MUXB1.12 TMR6.2
/ANA_07: Cvout7.1 MUXB1.4 TMR7.2
/ANA_08: Cvout8.1 MUXB1.5 TMR8.2
/ANA_09: Cvout9.1 MUXA2.10 TMR9.2
/ANA_10: Cvout10.1 MUXB5.9 TMR10.2
/ANA_11: Cvout11.1 MUXB5.10 TMR11.2
/ANA_12: Cvout12.1 MUXB5.11 TMR12.2
/ANA_13: Cvout13.1 MUXB5.12 TMR13.2
/ANA_14: Cvout14.1 MUXB5.7 TMR14.2
/ANA_15: Cvout15.1 MUXB5.6 TMR15.2
/ANA_16: Cvout16.1 MUXB2.5 TMR16.2
/ANA_17: Cvout17.1 MUXB2.9 TMR17.2
/ANA_18: Cvout18.1 MUXB2.10 TMR18.2
/ANA_19: Cvout19.1 MUXB2.11 TMR19.2
/ANA_20: Cvout20.1 MUXB2.12 TMR20.2
/ANA_21: Cvout21.1 MUXB2.4 TMR21.2
/ANA_22: Cvout22.1 MUXA1.13 TMR22.2
/ANA_23: Cvout23.1 MUXA2.6 TMR23.2
/ANA_24: Cvout24.1 MUXA2.13 TMR24.2
/ANA_25: Cvout25.1 MUXB6.9 TMR25.2
/ANA_26: Cvout26.1 MUXB6.10 TMR26.2
/ANA_27: Cvout27.1 MUXB6.11 TMR27.2
/ANA_28: Cvout28.1 MUXB6.12 TMR28.2
/ANA_29: Cvout29.1 MUXB5.5 TMR29.2
/ANA_30: Cvout30.1 MUXB2.7 TMR30.2
/ANA_31: Cvout31.1 MUXB2.6 TMR31.2
/ANA_32: Cvout32.1 MUXB3.9 TMR32.2
/ANA_33: Cvout33.1 MUXB3.10 TMR33.2
/ANA_34: Cvout34.1 MUXB3.11 TMR34.2
/ANA_35: Cvout35.1 MUXB3.12 TMR35.2
/ANA_36: Cvout36.1 MUXA1.6 TMR36.2
/ANA_37: Cvout37.1 MUXA1.10 TMR37.2
/ANA_38: Cvout38.1 MUXA2.3 TMR38.2
/ANA_39: Cvout39.1 MUXB7.4 TMR39.2
/ANA_40: Cvout40.1 MUXB6.7 TMR40.2
/ANA_41: Cvout41.1 MUXB6.6 TMR41.2
/ANA_42: Cvout42.1 MUXB6.5 TMR42.2
/ANA_43: Cvout43.1 MUXB6.4 TMR43.2
/ANA_44: Cvout44.1 MUXB5.4 TMR44.2
/ANA_45: Cvout45.1 MUXB3.5 TMR45.2
/ANA_46: Cvout46.1 MUXB3.4 TMR46.2
/ANA_47: Cvout47.1 MUXB4.9 TMR47.2
/ANA_48: Cvout48.1 MUXB4.10 TMR48.2
/ANA_49: Cvout49.1 MUXB4.11 TMR49.2
/ANA_50: Cvout50.1 MUXB4.12 TMR50.2
/ANA_51: Cvout51.1 MUXA1.3 TMR51.2
/ANA_52: Cvout52.1 MUXB8.4 TMR52.2
/ANA_53: Cvout53.1 MUXB8.5 TMR53.2
/ANA_54: Cvout54.1 MUXB8.6 TMR54.2
/ANA_55: Cvout55.1 MUXB8.7 TMR55.2
/ANA_56: Cvout56.1 MUXB7.12 TMR56.2
/ANA_57: Cvout57.1 MUXB7.6 TMR57.2
/ANA_58: Cvout58.1 MUXB7.7 TMR58.2
/ANA_59: Cvout59.1 MUXB3.6 TMR59.2
/ANA_60: Cvout60.1 MUXB3.7 TMR60.2
/ANA_61: Cvout61.1 MUXB4.4 TMR61.2
/ANA_62: Cvout62.1 MUXB4.7 TMR62.2
/ANA_63: Cvout63.1 MUXB4.6 TMR63.2
/ANA_64: Cvout64.1 MUXB4.5 TMR64.2
/ANA_65: Cvout65.1 MUXB8.12 TMR65.2
/ANA_66: Cvout66.1 MUXB8.11 TMR66.2
/ANA_67: Cvout67.1 MUXB8.10 TMR67.2
/ANA_68: Cvout68.1 MUXB8.9 TMR68.2
/ANA_69: Cvout69.1 MUXB7.9 TMR69.2
/ANA_70: Cvout70.1 MUXB7.10 TMR70.2
/ANA_71: Cvout71.1 MUXB7.11 TMR71.2
/ANA_72: Cvout72.1 MUXB7.5 TMR72.2
/CS0: D9.1 D24.1 D38.1 D53.1 LEDDR1.2
/CS1: D10.1 D25.1 D39.1 D54.1 LEDDR1.3
/CS2: D11.1 D26.1 D40.1 D55.1 LEDDR1.4
/CS3: D12.1 D27.1 D41.1 D56.1 LEDDR1.5
/CS4: D13.1 D28.1 D42.1 D57.1 LEDDR1.6
/CS5: D14.1 D29.1 D43.1 D58.1 LEDDR1.7
/CS6: D15.1 D44.1 D71.1 D72.1 LEDDR1.8
/CS7: D67.1 D68.1 D69.1 D70.1 LEDDR1.9
/CS8: D63.1 D64.1 D65.1 D66.1 LEDDR1.10
/CS9: D59.1 D60.1 D61.1 D62.1 LEDDR1.16
/CS10: D1.1 D16.1 D30.1 D45.1 LEDDR1.17
/CS11: D2.1 D17.1 D31.1 D46.1 LEDDR1.18
/CS12: D3.1 D18.1 D32.1 D47.1 LEDDR1.19
/CS13: D4.1 D19.1 D33.1 D48.1 LEDDR1.20
/CS14: D5.1 D20.1 D34.1 D49.1 LEDDR1.21
/CS15: D6.1 D21.1 D35.1 D50.1 LEDDR1.22
/CS16: D7.1 D22.1 D36.1 D51.1 LEDDR1.23
/CS17: D8.1 D23.1 D37.1 D52.1 LEDDR1.24
/GPIO_X: MDBT1.38 PMIC1.10
/INT: MDBT1.36 PMIC1.8
/LED_DR_EN: C33.1 LEDDR1.32 MDBT1.37
/LOADSW_CTRL: MDBT1.39 PMIC1.9
/MUX_B_1: MUXA1.14 MUXB1.8
/MUX_B_2: MUXA1.11 MUXB2.8
/MUX_B_3: MUXA1.5 MUXB3.8
/MUX_B_4: MUXA1.2 MUXB4.8
/MUX_B_5: MUXA2.11 MUXB5.8
/MUX_B_6: MUXA2.14 MUXB6.8
/MUX_B_7: MUXA2.2 MUXB7.8
/MUX_B_8: MUXA2.5 MUXB8.8
/MUXA_SEL: MDBT1.41 MUXA1.1 MUXA2.1
/MUXB_SEL_0: MDBT1.22 MUXB1.1 MUXB2.1 MUXB3.1 MUXB4.1 MUXB5.1 MUXB6.1 MUXB7.1 MUXB8.1
/MUXB_SEL_1: MDBT1.23 MUXB1.16 MUXB2.16 MUXB3.16 MUXB4.16 MUXB5.16 MUXB6.16 MUXB7.16 MUXB8.16
/MUXB_SEL_2: MDBT1.25 MUXB1.15 MUXB2.15 MUXB3.15 MUXB4.15 MUXB5.15 MUXB6.15 MUXB7.15 MUXB8.15
/NRESET: JTAG1.10 MDBT1.40 SW1.2
/SCL: LEDDR1.28 MDBT1.27 PMIC1.14 R3.2
/SDA: LEDDR1.29 MDBT1.29 PMIC1.13 R4.2
/SW0: D1.2 D2.2 D3.2 D4.2 D5.2 D6.2 D7.2 D8.2 D9.2 D10.2 D11.2 D12.2 D13.2 D14.2 D15.2 D62.2 D66.2 D70.2 LEDDR1.11
/SW1: D16.2 D17.2 D18.2 D19.2 D20.2 D21.2 D22.2 D23.2 D24.2 D25.2 D26.2 D27.2 D28.2 D29.2 D61.2 D65.2 D69.2 D72.2 LEDDR1.12
/SW2: D30.2 D31.2 D32.2 D33.2 D34.2 D35.2 D36.2 D37.2 D38.2 D39.2 D40.2 D41.2 D42.2 D43.2 D44.2 D60.2 D64.2 D68.2 LEDDR1.13
/SW3: D45.2 D46.2 D47.2 D48.2 D49.2 D50.2 D51.2 D52.2 D53.2 D54.2 D55.2 D56.2 D57.2 D58.2 D59.2 D63.2 D67.2 D71.2 LEDDR1.14
/SWDCLK: JTAG1.4 MDBT1.53
/SWDIO: JTAG1.2 MDBT1.51
/USB_D+: Jusb1.A6 Jusb1.B6 R1.2
/USB_D-: Jusb1.A7 Jusb1.B7 R2.2
/VOUT2: C26.1 L2.1 PMIC1.28 PMIC1.32
/VSYS: C10.1 C11.1 C12.1 C35.1 C36.1 LEDDR1.1 LEDDR1.15 PMIC1.4 PMIC1.20
Net-(BAT1-NTC): BAT1.2 BAT2.2 PMIC1.18
Net-(Jusb1-CC1): Jusb1.A5 PMIC1.23
Net-(Jusb1-CC2): Jusb1.B5 PMIC1.24
Net-(LEDDR1-VCAP): C34.2 LEDDR1.25
Net-(MDBT1-D+): MDBT1.35 R1.1
Net-(MDBT1-D-): MDBT1.34 R2.1
Net-(MDBT1-P0.00/XL1): C2.1 MDBT1.17 Y1.1
Net-(MDBT1-P0.01/XL2): C4.1 MDBT1.18 Y1.2
Net-(PMIC1-SHPHLD): PMIC1.15 SW2.2
Net-(PMIC1-SW1): L1.2 PMIC1.3
Net-(PMIC1-SW2): L2.2 PMIC1.5
Net-(PMIC1-VBUS): C18.1 Jusb1.A4 Jusb1.A9 Jusb1.B4 Jusb1.B9 PMIC1.21
Net-(PMIC1-VSET1): PMIC1.17 R5.2
Net-(PMIC1-VSET2): PMIC1.16 R6.2

Pads without a net: H1 1; Hs2 1; Hs3 1; Hs4 1; Hs5 1; Hs6 1; Hs7 1; Hs8 1; Hs9 1; Hs10 1; JTAG1 6 7 8; Jusb1 A8 B8; MDBT1 3 4 5 6 7 8 16 19 24 26 31 42 43 44 45 46 47 48 49 50 52 54 56 57 58 59 60 61; PMIC1 7 11 25 26 27

## Via types
v1: diameter 0.6, hole 0.3, Top to Bottom, 684 vias
v2: diameter 0.8, hole 0.4, Top to Bottom, 3 vias

## Routing (per net, layer and track width the routed paths; a pad name or vN(x,y) marks a point on that pad's centre or on a via; arc(x,y) is an arc through that point)
/VBAT: length 283.8
  Top w0.2: v1(232.25,28.82) 232.95,28.12 BAT2.1
  Top w0.25: v1(28.65,59.75) v1(28.65,48.81) ; v1(152.37,38.94) 151.55,38.12 135.32,38.12 134.14,39.3 v1(128.38,39.3) ; v1(214.82,38.81) 223.31,38.81 v1(223.55,38.57) ; v1(30.15,41.83) 28.89,40.57 v1(28.89,36.64) 34.35,36.64 v1(34.82,37.11) ; v1(34.85,80.31) 33.56,80.31 28.65,75.4 v1(28.65,67.8) ; v1(45.52,37.12) 45.57,37.17 49.36,37.17 v1(49.41,37.12)
  Bottom w0.2: 26.35,31.38 25.75,30.78 BAT1.1
  Bottom w0.25: v1(49.41,37.12) 49.41,37.94 50.76,39.3 v1(128.38,39.3) ; v1(28.65,48.81) 28.75,48.71 28.75,46.62 30.15,45.22 v1(30.15,41.83) ; v1(214.82,38.81) 214.37,38.36 152.95,38.36 v1(152.37,38.94) ; v1(28.65,59.75) v1(28.65,67.8) ; v1(232.25,28.82) 232.25,33.25 226.93,38.57 v1(223.55,38.57) ; PMIC1.19 36.41,84.1 35.7,83.39 35.7,82.27 34.97,81.54 34.93,81.54 ; v1(28.89,36.64) 28.89,33.92 26.35,31.38 ; C32.1 34.94,80.4 v1(34.85,80.31) ; v1(45.52,37.12) 45.51,37.11 v1(34.82,37.11)
/VBUSOUT: length 143.4
  Top w0.25: v1(152.24,97.16) 153.39,96.01 159.21,96.01 v1(159.8,96.61) ; v1(47.4,95.07) 47.4,91.89 46.49,90.98 45.94,90.98 45.7,91.22 39.65,91.22 36.48,88.05 v1(34.85,88.05)
  Bottom w0.25: v1(152.24,97.16) 152.05,97.16 149.46,99.74 145.54,99.74 140.64,94.84 47.62,94.84 v1(47.4,95.07) ; v1(34.85,88.05) 34.91,87.99 C19.1 34.91,87.09 36.41,85.6 PMIC1.22 ; C1.1 162.65,96.84 162.65,97.21 161.75,98.1 MDBT1.32 161.75,97.68 160.67,96.61 v1(159.8,96.61)
